# KiCad board Soldered Inkplate 4 TEMPERA with glass panel_panel.kicad_pcb (continued)
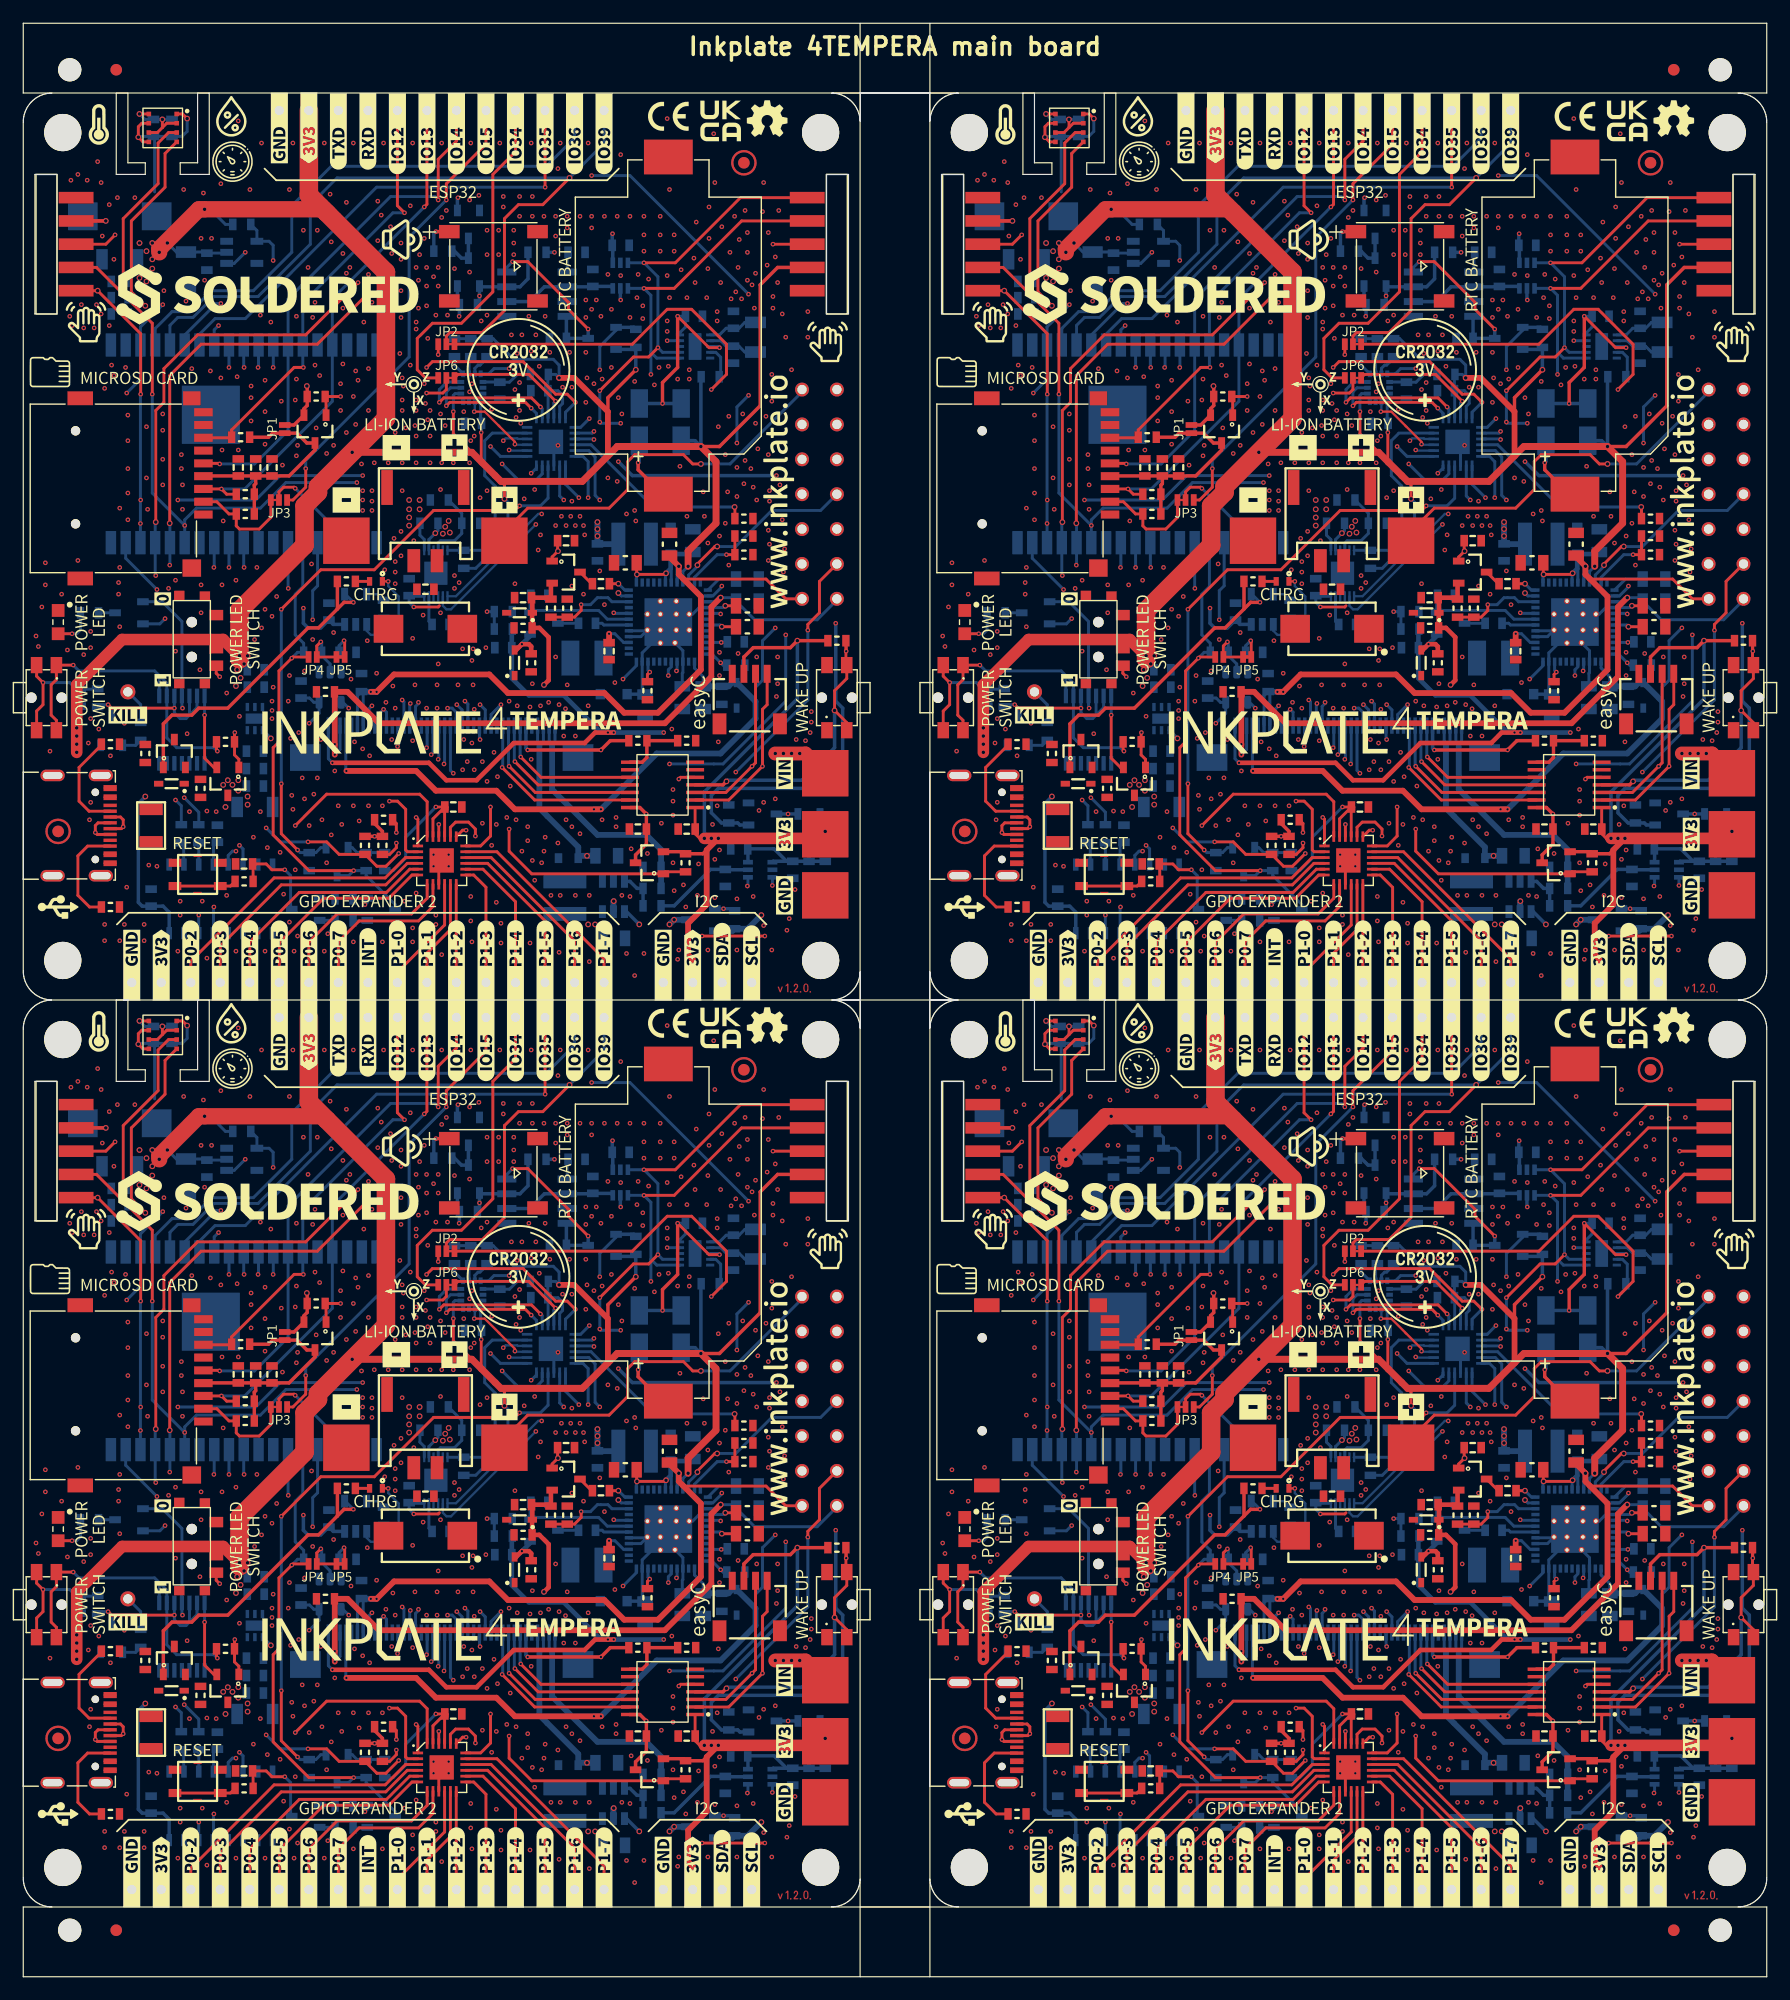
[diagram p0: board, top side]
## Routing (per net, layer and track width the routed paths; a pad name or vN(x,y) marks a point on that pad's centre or on a via; arc(x,y) is an arc through that point) (continued)
Board_2-GPIO15: length 40.9
  Top w0.254: K32.1 39.81,79.61 36.4,76.2 v1(36.4,74.8) ; JP3#2.3 23.2,49 24.3,50.1 v1(24.3,51.7)
  Bottom w0.254: v1(36.4,74.8) 33.2,71.6 33.2,61.3 24.3,52.4 v1(24.3,51.7)
Board_2-GPIO_0: length 43.8
  Top w0.254: JP4#3.1 23.2,35.5 22,34.3 22,28.2 21.5,27.7 21.5,20.2 24.58,17.12 v1(28.43,17.12)
  Bottom w0.254: U14#2.25 24.05,41.55 23.4,40.9 23.4,37.4 24.13,36.68 R45#4.1 23.6,35.9 v1(23.1,35.4) ; Q1#3.3 28,16.7 v1(28.43,17.12) R22.1 29.5,16.7 32,14.2 Q3.3
Board_2-GPIO_0_MOSFET: length 53.7
  Top w0.254: v1(23.6,18.9) 22.2,20.3 v1(22.2,24.6) ; v1(42.7,48.5) 42.3,48.1 35.3,48.1 30.2,43 25.6,43 v1(22.2,39.6)
  Bottom w0.254: v1(42.7,48.5) 44.5,48.5 45.15,49.15 U13#2.10 ; Q1#3.1 25.6,19.1 25.18,18.68 R20.2 23.83,18.68 v1(23.6,18.9) ; v1(22.2,39.6) v1(22.2,24.6)
Board_2-GPIO_36: length 137
  Top w0.254: v1(70.8,36) 70.8,36.88 R41#2.1 70.78,34.88 SW3#3.2 70.85,33.65 69.8,32.6 v2(69.8,30.9) 70.85,29.85 SW3#3.2
  Top w0.3: v2(60.5,24.8) 60.2,24.5 U10#3.4
  In1.Cu w0.254: v1(48.9,76.9) 47.43,78.37 K25.1 ; v1(70.8,36) 65.7,36 63.6,38.1 63.6,51.7 v1(61.4,53.9) ; v1(62.4,66.7) v1(62.4,58)
  Bottom w0.254: v1(62.4,66.7) 52.2,76.9 v1(48.9,76.9) ; v1(61.4,53.9) 61.4,57 v1(62.4,58) ; K25.1 47.43,80.13 45,77.7 26.5,77.7 23.1,74.3 23.1,70.3 19.8,67 16.2,67 14.4,65.2 12.8,65.2 11.35,63.75 U14#2.4
  Bottom w0.3: v2(60.5,24.8) 60.6,24.9 67,24.9 69.8,27.7 v2(69.8,30.9)
Board_2-GPIO_39: length 71.9
  Top w0.254: JP2.2 36.4,63.1 36.7,63.4 39.5,63.4 41.4,65.3 41.4,73.2 42.6,74.4 44.7,74.4 v2(47,76.7)
  Bottom w0.254: U14#2.5 12.62,64.02 13.3,64.7 14.6,64.7 16.4,66.5 20.2,66.5 24.7,71 24.7,74.4 27,76.7 v2(47,76.7) 49.97,79.67 K24#3.1
Board_2-GPOUT_FG: length 17.2
  Bottom w0.254: U5#4.12 R26.2 39.48,44.68 40.6,45.8 40.6,50.2 39.7,51.1 39.7,54.1 40.35,54.75 U13#2.17
Board_2-I2C_SCL: length 323.3
  Top w0.254: v1(32.1,19.5) 32.1,19.1 31.53,18.53 R1.1 ; v1(36.4,57.1) 36.7,57.4 43.2,57.4 v1(43.7,56.9) ; v1(54.6,62.1) 53.8,61.3 52.5,61.3 v1(49.6,58.4) ; v1(38.1,20.6) 37.8,20.6 U15#2.19 ; U10#3.2 60.7,23.2 v1(63.6,26.1) 63.6,31 64,31.4 K4#2.1 ; K42#4.1 v2(6.4,67) 10.1,63.3 v1(10.1,58.1) ; K43.1 61.7,75 56.1,69.4 v1(53.4,69.4) ; v1(58.4,11.5) v1(63.8,11.5) ; U19#2.4 12.2,78.8 12.2,75.9 9.3,73 9.3,66.9 v2(10.5,65.7)
  In1.Cu w0.254: v1(44.1,46.9) 44.1,48.2 49.9,54 49.9,55.4 v1(49.6,55.7) ; v1(26.5,20.2) 20.6,20.2 19.6,21.2 13.68,21.2 10.4,24.47 10.4,33.5 8.9,35 8.9,43.4 10.08,44.58 v1(10.08,46.98) ; v1(56.2,34.3) 56.2,33.5 67.3,22.4 67.3,18.7 v1(64.45,15.85) 64.45,12.15 62.67,10.37 K6#3.1 ; v1(13.3,49) v1(10.1,49) ; v1(49.6,58.4) 49.3,58.1 44.4,58.1 43.7,57.4 v1(43.7,56.9) 43.7,53.9 40.9,51.1 v1(29.2,51.1) ; K1#4.6 68.6,56.9 57,56.9 55.7,55.6 v1(51.4,55.6) ; v2(6.4,67) 9.2,67 v2(10.5,65.7) ; v1(58.4,11.5) 45,11.5 42.1,14.4 42.1,19.2 40.7,20.6 v1(38.1,20.6) 37.98,20.48 33.08,20.48 v1(32.1,19.5)
  In2.Cu w0.254: v1(26.5,20.2) 27.2,19.5 v1(32.1,19.5)
  Bottom w0.2: U5#4.2 36.1,39.9 36.4,39.6 36.8,39.6 v1(44.1,46.9)
  Bottom w0.254: U13#2.19 44.15,56.45 v1(43.7,56.9) ; U1#2.17 56.25,34.35 v1(56.2,34.3) ; v1(51.4,55.6) 49.7,55.6 v1(49.6,55.7) v1(49.6,58.4) ; v1(10.1,58.1) 10.08,58.08 v1(10.08,46.98) U14#2.36 ; U8.7 55,61.7 v1(54.6,62.1) 54.6,68.2 v1(53.4,69.4) U16#4.3 ; v1(29.2,51.1) 22.1,51.1 20,49 v1(13.3,49) ; U9#2.3 v1(64.45,15.85) ; v1(36.4,57.1) 36.4,58.3 36.75,58.65 U17.13
Board_2-I2C_SCL_B: length 15.8
  Top w0.254: U10#3.13 44,23.2 v1(41.2,26)
  Bottom w0.254: K12#2.10 41.25,26.05 v1(41.2,26)
Board_2-I2C_SDA: length 316.9
  Top w0.254: v1(24.5,19.6) 26.1,19.6 27.18,18.53 R2.1 30.43,17.5 31.2,17.5 v1(32.3,18.6) ; v1(11.1,58.1) 11.1,64.2 6.3,69 K42#4.2 ; v1(35.8,57.4) 36.18,57.78 43.72,57.78 v1(44.5,57) ; U15#2.20 36.75,20.85 37.2,21.3 38.3,21.3 38.9,20.7 v1(38.9,20.1) ; U10#3.3 60.45,23.85 v1(62.7,26.1) 63,26.4 K4#2.2 ; v1(53.4,67.2) 56,67.2 61.8,73 K43.2 ; U19#2.3 12.5,80.6 11.6,79.7 11.6,76.2 8.6,73.2 8.6,66.7
  In1.Cu w0.254: v1(44.6,47.8) 44.6,47.9 50.5,53.8 ; v1(13.89,46.81) 13.81,46.81 9.6,42.6 9.6,35.4 11.2,33.8 11.2,24.38 13.88,21.7 20,21.7 v1(20.9,20.8) ; 60.7,10.9 60.13,10.33 K7#4.1 ; 60.7,10.9 62.3,12.5 v1(62.3,15.8) 66.5,20 66.5,22.3 55.5,33.3 v1(55.5,33.9) ; 60.7,10.9 44.9,10.9 41.6,14.2 41.6,18.8 40.3,20.1 33.8,20.1 v1(32.3,18.6) ; 51.05,56.85 v1(54,59.8) ; 51.05,56.85 51,56.8 44.7,56.8 v1(44.5,57) ; 51.05,56.85 50.5,56.3 50.5,53.8 ; v1(28.7,50.5) 41,50.5 47,56.5 47,56.8 ; 50.5,53.8 51.4,54.7 63.3,54.7 64,54 68.5,54 K1#4.5
  Bottom w0.2: v1(44.6,47.8) 44.3,47.8 37.23,40.72 U5#4.1
  Bottom w0.254: v1(35.8,57.4) 35.8,58.5 36.45,59.15 U17.14 ; U13#2.20 44.65,56.85 v1(44.5,57) ; v1(20.9,20.8) 22.1,19.6 v1(24.5,19.6) ; U14#2.33 v1(13.89,46.81) ; v1(13.89,46.81) 11.1,49.6 v1(11.1,58.1) ; v1(13.89,46.81) 13.89,47.29 14.9,48.3 20.4,48.3 22.6,50.5 v1(28.7,50.5) ; U1#2.18 55.75,34.65 55.5,34.4 v1(55.5,33.9) ; 54,61.7 54,66.6 v1(53.4,67.2) U16#4.4 ; 54,61.7 v1(54,59.8) ; 54,61.7 54.5,61.2 U8.6 ; U9#2.4 62.35,15.85 v1(62.3,15.8)
Board_2-I2C_SDA_B: length 14.9
  Top w0.254: v1(41.8,26.1) 44.05,23.85 U10#3.12
  Bottom w0.254: K12#2.9 41.75,26.15 v1(41.8,26.1)
Board_2-INT: length 21.9
  In1.Cu w0.254: v1(60.1,41.6) 60.1,43.3 53.4,50 48.6,50 v1(47.8,49.2)
  Bottom w0.254: v1(60.1,41.6) 60.1,41.52 59.33,40.75 U1#2.2 ; v1(47.8,49.2) 46.65,50.35 U13#2.7
Board_2-INT1_LSM: length 11.2
  In1.Cu w0.254: v1(41.3,54.1) 41.3,57.4 41.8,57.9 v1(41.8,60.3)
  Bottom w0.2: v1(41.3,54.1) 41.5,54.3 42.5,54.3 42.55,54.25 U13#2.16
  Bottom w0.254: U17.4 40.05,59.85 40.5,60.3 v1(41.8,60.3)
Board_2-INT2_LSM: length 6.7
  Top w0.2: v1(42.3,53.8) 42.3,54 39.7,56.6 v1(38.8,56.6)
  Bottom w0.2: U13#2.15 42.35,53.75 v1(42.3,53.8) ; v1(38.8,56.6) 38.85,56.65 U17.9
Board_2-INT_APDS: length 86.7
  Top w0.254: v1(7.9,71.8) 7.1,71 K42#4.3 ; v1(64.5,71) K43.3
  In1.Cu w0.254: v1(64.5,71) 54.5,61 41.6,61 40.9,60.3 ; v1(41.2,52.1) 40.8,52.5 40.8,60.2 40.9,60.3 ; 40.9,60.3 40.4,59.8 36.6,59.8 34,62.4 32,62.4 22,72.4 15.1,72.4 14.5,71.8 v1(7.9,71.8)
  Bottom w0.254: v1(41.2,52.1) 42.6,50.7 44.1,50.7 44.65,51.25 U13#2.11
Board_2-MANUAL_RST: length 83.8
  Top w0.254: v1(22.5,17.2) 21.4,17.2 20.9,17.7 C34.2 19.78,17.66 R32#3.2
  In1.Cu w0.254: v1(22.5,17.2) 21.5,17.2 18.7,20 11.8,20 8.6,23.2 8.6,29.1 6.7,31 6.7,31.9 6.53,32.07 6.53,56.93 19.2,69.6 v1(21.5,69.6)
  Bottom w0.254: v1(22.5,17.2) 23,16.7 23,13.9 Q2#4.3 ; v1(21.5,69.6) 21.5,70.9 21.15,71.25 U4#4.4 20.1,72.17 R27#4.1
Board_2-Net-(C16-Pad1): length 1.8
  Bottom w0.254: C16#3.1 D6#3.3
Board_2-Net-(C17-Pad2): length 1.5
  Top w0.254: D7#2.3 48.9,41.8 C17#4.2
Board_2-Net-(C28-Pad1): length 2.5
  Bottom w0.254: U5#4.5 34.9,38.57 C28#4.1
Board_2-Net-(C33-Pad2): length 2.1
  Bottom w0.254: C33#3.2 16.37,19.24 U6#2.4
Board_2-Net-(C35-Pad2): length 11
  Top w0.254: SW2.2 1.15,33.85 v1(1.7,33.3) 1.7,31.4 1.15,30.85 SW2.2
  Bottom w0.254: R37#4.1 6.36,32.73 C35#2.2 4.57,32.73 4,33.3 v1(1.7,33.3)
Board_2-Net-(C43-Pad1): length 11.7
  Bottom w0.3: C44#4.1 C45.1 ; C44#4.1 Q9#3.3 ; C44#4.1 C43#2.1 ; C45.1 64.53,17.93 U9#2.1 ; C45.1 65.67,17.93 64.6,19 C47#4.2 62.35,18.98 U9#2.6
Board_2-Net-(C46-Pad2): length 2.6
  Top w0.254: v1(27.6,36.9) 27.65,36.85 JP5.2
  Bottom w0.254: v1(27.6,36.9) 27.17,36.47 C46#3.2
Board_2-Net-(C68-Pad2): length 1.7
  Bottom w0.254: U18#2.5 46.8,70.23 C68#3.2
Board_2-Net-(D8-Pad1): length 1.1
  Top w0.254: 28.68,42 D8.1
Board_2-Net-(D8-Pad2): length 8.7
  Top w0.2: v1(31.4,42) D8.2
  Bottom w0.2: v1(31.4,42) 31.4,41.6 32.3,40.7 32.3,37.8 31.9,37.4 29.9,37.4 29.55,37.75 U2#2.1
Board_2-Net-(D9-Pad1): length 3.5
  Top w0.254: v1(4.2,37.5) D9#2.1
  Bottom w0.254: R31#2.2 4.93,37.82 4.6,37.5 v1(4.2,37.5)
Board_2-Net-(D12-Pad1): length 6.2
  Top w0.3: v1(52.9,52.2) 52.9,51.6 55.5,49
  Bottom w0.3: D12#3.1 53,52.3 v1(52.9,52.2)
Board_2-Net-(JP2-Pad3): length 34.5
  Top w0.254: JP2.3 52.4,62.4 55.4,65.4 57.5,65.4 60.5,62.4 60.5,59.8 v1(59.2,58.5)
  Bottom w0.254: v1(59.2,58.5) 59.88,59.17 R40#2.1 60,59.72 60,61.28 59.58,61.7 U8.4
Board_2-Net-(JP3-Pad1): length 9.3
  Top w0.254: K10#3.2 16.65,48.85 17.7,47.8 R42#4.1 18.33,46.78 18.6,46.5 20.3,46.5 21.3,47.5 JP3#2.1
Board_2-Net-(JP4-Pad2): length 6.1
  Top w0.254: v1(25.6,36.8) 25.25,36.45 JP4#3.2 JP5.1
  Bottom w0.254: v1(25.6,36.8) 25.68,36.72 R45#4.2 25.68,35.62 26.4,34.9 U11#4.2
Board_2-Net-(JP6-Pad3): length 29.4
  Top w0.254: JP6.3 34.6,59.5 33.9,60.2 33.9,62.9 35.2,64.2 37.7,64.2 40.4,66.9 40.4,77 42.35,78.95 K17#4.1
Board_2-Net-(K2-PadA5): length 8.7
  Top w0.254: K2.A5 5.66,22.24 4.8,23.1 4.8,26 6.73,27.93 R18#4.1
Board_2-Net-(K2-PadB5): length 9
  Top w0.254: K2.B5 5.54,19.24 4.7,18.4 4.7,15 5.7,14 R17.1
Board_2-Net-(K9-Pad1): length 3.1
  Bottom w0.254: K9#3.1 10.1,31.4 R33#4.2
Board_2-Net-(K15-Pad1): length 42.5
  Top w0.254: v1(44.9,75.9) 44.89,75.91 K15.1
  Bottom w0.254: U14#2.7 15.16,63.26 16.5,64.6 19.1,64.6 30.4,75.9 v1(44.9,75.9)
Board_2-Net-(K26-Pad1): length 25.1
  Top w0.254: U15#2.3 32.89,18.25 31.14,16.5 21.58,16.5 14.41,9.33 K26#4.1
Board_2-Net-(K27-Pad1): length 23.1
  Top w0.254: U15#2.4 33.04,17.75 31.19,15.9 22.2,15.9 16.95,10.65 K27#3.1
Board_2-Net-(K28-Pad1): length 20.5
  Top w0.254: K28#3.1 19.49,10.99 23.75,15.25 31.25,15.25 33.25,17.25 U15#2.5
Board_2-Net-(K29-Pad1): length 17.8
  Top w0.254: U15#2.6 33.45,16.75 31.45,14.75 25.85,14.75 22.03,10.93 K29#2.1
Board_2-Net-(K30-Pad1): length 16.4
  Top w0.254: U15#2.7 34.75,14.75 33.4,13.4 27,13.4 24.57,10.97 K30#3.1
Board_2-Net-(K31-Pad1): length 14.8
  Top w0.254: U15#2.8 35.25,14.05 34,12.8 28.9,12.8 27.11,11.01 K31#2.1
Board_2-Net-(K33-Pad1): length 10.1
  Top w0.254: K33.1 32.19,8.39 36.25,12.45 U15#2.10
Board_2-Net-(K34-Pad1): length 9.3
  Top w0.254: K34#4.1 34.73,10.03 36.75,12.05 U15#2.11
Board_2-Net-(K35-Pad1): length 8.5
  Top w0.254: U15#2.12 37.25,7.52 K35#2.1
Board_2-Net-(K36-Pad1): length 10.4
  Top w0.254: K36#4.1 39.81,15.69 38.75,16.75 U15#2.13
Board_2-Net-(K37-Pad1): length 12.4
  Top w0.254: K37.1 42.35,14.45 39.55,17.25 U15#2.14
Board_2-Net-(K38-Pad1): length 14.2
  Top w0.254: U15#2.15 39.95,17.75 44.89,12.81 K38#4.1
Board_2-Net-(K39-Pad1): length 15.9
  Top w0.254: K39.1 47.43,11.07 40.25,18.25 U15#2.16
Board_2-Net-(K40-Pad1): length 17.8
  Top w0.254: U15#2.17 40.75,18.75 49.97,9.53 K40#2.1
Board_2-Net-(K41-Pad1): length 20.1
  Top w0.254: R55#3.2 32.1,21.18 v1(32.1,20.4) ; U15#2.22 v1(35.75,21.1)
  In1.Cu w0.254: K41#4.1 29.65,13.25 30.7,14.3 30.7,19 v1(32.1,20.4) 32.8,21.1 v1(35.75,21.1)
Board_2-Net-(Q1-Pad2): length 3.3
  Bottom w0.254: Q1#3.2 28.3,19.1 28.73,18.68 R22.2 R21#4.1
Board_2-Net-(Q2-Pad1): length 1.3
  Bottom w0.254: Q2#4.1 26.78,14.75 R29#2.1
Board_2-Net-(Q3-Pad1): length 1.2
  Bottom w0.254: R30#2.1 29.55,12.8 Q3.1
Board_2-Net-(Q4-Pad2): length 10.9
  Top w0.254: v1(16.9,33.8) 16.6,34.1 S1.3
  In1.Cu w0.254: v1(12.2,38.8) 13.9,37.1 15.2,37.1 16.9,35.4 v1(16.9,33.8)
  Bottom w0.254: v1(12.2,38.8) 11.75,38.35 Q4.2
Board_2-Net-(Q4-Pad3): length 1.4
  Bottom w0.254: R31#2.1 Q4.3
Board_2-Net-(Q5-Pad1): length 1.7
  Bottom w0.254: Q5#3.1 9.68,27.9 R33#4.1
Board_2-Net-(Q5-Pad3): length 14.7
  Top w0.254: v1(7.3,31.4) 7.6,31.1 v1(13,31.1)
  Bottom w0.254: 14.3,30.5 14.95,31.15 U7.13 ; 14.3,30.5 U7.12 ; 14.3,30.5 14,30.2 13.5,30.2 13,30.7 v1(13,31.1) U7.10 ; Q5#3.3 7.6,31.1 v1(7.3,31.4) 6.58,31.4 R37#4.2
Board_2-Net-(Q14-Pad3): length 3.4
  Bottom w0.3: R62#2.1 37.1,70.4 37.7,69.8 Q14#3.3 Q15#3.3
Board_2-Net-(R23-Pad1): length 1.7
  Bottom w0.2: U2#2.5 30.48,40.9 R23#2.1
Board_2-Net-(R32-Pad1): length 5.4
  Top w0.254: R32#3.1 17.83,15.8 12.95,15.8
Board_2-Net-(R36-Pad1): length 28.2
  Top w0.254: v1(16.7,27.4) 16.63,27.47 R36.1 ; v1(4.3,34.8) SW2.1 2.85,33.55 2.4,33.1 2.4,30.5 2.85,30.05 SW2.1
  Bottom w0.254: 11.7,33.9 U7.8 ; 11.7,33.9 11.3,34.3 4.8,34.3 v1(4.3,34.8) ; 11.7,33.9 12.35,33.25 U7.9 12.35,28.55 13.2,27.7 16.4,27.7 v1(16.7,27.4)
Board_2-Net-(R46-Pad1): length 5.7
  Top w0.3: U10#3.8 53.25,26.45 53.65,26.85 R46#3.1 R47#4.1
Board_2-Net-(R49-Pad2): length 3.3
  Bottom w0.3: U12.3 52.2,16.2 52.8,15.6 R49#3.2 R50#4.1
Board_2-Net-(R56-Pad2): length 1.8
  Bottom w0.254: R56#2.2 37.1,60.6 U17.1
Board_2-Net-(R57-Pad2): length 1.5
  Bottom w0.254: U17.2 38.35,61.17 R57#2.2
Board_2-Net-(R58-Pad2): length 2
  Bottom w0.254: R58#2.2 39.9,61.2 39.3,60.6 39.13,60.6 38.85,60.32 U17.3
Board_2-Net-(R62-Pad2): length 2.9
  Top w0.3: U20#2.1 v1(35.5,72.08)
  Bottom w0.3: R62#2.2 35.33,71.91 v1(35.5,72.08)
Board_2-OUT: length 18.8
  In1.Cu w0.3: v1(37.4,75) 39.25,73.15 v1(39.25,66.55)
  Bottom w0.3: v1(37.4,75) 37.35,74.95 Q15#3.1 ; R59#4.2 43.43,68.03 42.74,67.33 U18#2.3 39.32,67.33 Q14#3.1 39.25,65.97 R61#2.1
Board_2-POT_A: length 9.7
  Bottom w0.3: U16#4.6 50.55,67.37 C62#2.2 48.97,67.33 U18#2.6 44.84,67.33 43.57,66.06 U18#2.2
Board_2-POT_W: length 9.1
  In1.Cu w0.3: v1(51.4,66.2) 50.1,66.2 46,70.3 v1(45.7,70.3)
  Bottom w0.3: U16#4.5 51.37,66.23 v1(51.4,66.2) ; R59#4.1 v1(45.7,70.3)
Board_2-PWR_GOOD: length 23.7
  In1.Cu w0.254: v1(51.6,33.6) 45.2,40 45.2,47.7 v1(46.5,49)
  Bottom w0.254: U13#2.8 46.15,49.35 v1(46.5,49) ; U1#2.24 52.75,34.75 v1(51.6,33.6)
Board_2-PWRUP: length 24.3
  Top w0.254: R5.1 53.7,34 v1(53.9,34.2)
  In1.Cu w0.254: v1(49.6,49) 52,46.6 52,36.1 v1(53.9,34.2)
  Bottom w0.254: U1#2.22 53.75,34.35 v1(53.9,34.2) ; v1(49.6,49) 49.2,49.4 49.2,52.7 48.65,53.25 U13#2.5
Board_2-RST: length 123.6
  Top w0.254: v1(23.4,21) 26.1,23.7 34.1,23.7 34.75,23.05 U15#2.24 ; v1(47.5,57.4) 46.8,58.1 45.8,58.1 43,60.9 35.2,60.9 v1(34.7,60.4)
  In1.Cu w0.254: v1(12,65.8) 16.5,70.3 v1(19.1,70.3) 21.8,70.3 32,60.1 34.4,60.1 v1(34.7,60.4) ; v1(8.9,58.2) 7.5,56.8 7.5,32 9.5,30 9.5,23.5 12.4,20.6 19.2,20.6 v1(19.8,20)
  In2.Cu w0.254: v1(23.4,21) 22.4,20 v1(19.8,20)
  Bottom w0.254: U4#4.1 18.15,69.35 v1(19.1,70.3) ; v1(8.9,58.2) 10.08,59.38 U14#2.3 10.08,63.88 v1(12,65.8) ; v1(47.5,57.4) 46.65,56.55 U13#2.24
Board_2-RXD: length 77.5
  Top w0.254: v1(29.7,68.4) 29.7,66.8 25.3,62.4 15.3,62.4 12.6,59.7 v2(12.6,47)
  In1.Cu w0.254: K18.1 29.65,68.45 v1(29.7,68.4) ; v1(13.1,23.2) 11.7,24.6 11.7,34.5 10.3,35.9 10.3,42.4 11.3,43.4 v1(12.6,43.4)
  Bottom w0.254: v1(12.6,43.4) 12.62,43.42 U14#2.34 12.62,46.98 v2(12.6,47) ; v1(13.1,23.2) 13.6,22.7 R35#3.2
Board_2-SD_ENABLE: length 21.1
  Top w0.254: Q8.1 26.05,57.83 R39#2.2 v1(27.3,57.9)
  In1.Cu w0.254: v1(27.3,57.9) 31.6,53.6 v1(40.2,53.6)
  Bottom w0.254: U13#2.13 41.05,52.75 v1(40.2,53.6)
Board_2-SPI_CS: length 8.3
  Top w0.254: v1(23.4,50) 23.3,50.1 22.4,50.1 22,49.7 JP3#2.2
  Bottom w0.254: U14#2.23 26.59,46.81 v1(23.4,50)
Board_2-SPI_MISO: length 38.1
  Top w0.254: K20#4.1 32.19,74.31 v1(32.8,73.7) ; v1(24.1,60.4) 23.3,60.4 17.93,55.03 R44#3.1 17.88,54.35 K10#3.7
  Bottom w0.254: v1(32.8,73.7) 31.8,73.7 24.05,65.95 U14#2.14 24.05,60.45 v1(24.1,60.4)
Board_2-SPI_MOSI: length 44.1
  Top w0.254: v1(34.5,74.2) 34.73,74.43 K21.1 ; K10#3.3 v1(17.05,49.95) 17.5,49.5 R43#2.1
  Bottom w0.254: v1(17.05,49.95) 19.05,49.95 26.59,57.49 U14#2.16 26.59,66.29 v1(34.5,74.2)
Board_2-SPI_SCK: length 44.8
  Top w0.254: K10#3.5 16.85,52.15 v1(16.9,52.1) ; v1(35.7,74.8) 35.7,78.3 37.27,79.87 K19.1
  Bottom w0.254: v1(16.9,52.1) 19.9,52.1 22.78,54.98 U14#2.13 22.78,66.28 31.6,75.1 35.4,75.1 v1(35.7,74.8)
Board_2-SW_IN: length 6.5
  Top w0.254: v1(15.6,30.5) 15.6,26.8 16.4,26 16.45,26
  Bottom w0.254: U7.14 v1(15.6,30.5)
Board_2-SW_OUT_D: length 20.1
  Top w0.254: Q6.1 18.55,26.7 18.18,27.07 R36.2 18.18,28.97 v1(18.2,29)
  In1.Cu w0.254: v1(18.2,29) 16.1,31.1 v1(13.7,31.1)
  Bottom w0.254: Q4.1 11.95,40.25 13.65,38.55 U7.11 13.65,31.15 v1(13.7,31.1)
Board_2-TOUCH_EN: length 28.9
  Top w0.254: v1(41.8,20.7) 41.8,18.8 43.75,16.85 Q11#3.1 55.25,17.03 R52.2 ; U15#2.1 33.95,21.55 v1(33.8,21.7)
  In1.Cu w0.254: v1(41.8,20.7) 40.8,21.7 v1(33.8,21.7)
Board_2-TOUCH_INT_B: length 13.8
  Top w0.254: U10#3.11 44.3,24.5 v1(42.3,26.5)
  Bottom w0.254: v1(42.3,26.5) 42.25,26.55 K12#2.8
Board_2-TOUCH_RESET: length 33.5
  Top w0.254: U15#2.2 33.05,18.75 32.9,18.9 32.9,22.4 32.2,23.1 v1(31.5,23.1) ; v1(56.4,25) 56.55,25.15 U10#3.5
  In1.Cu w0.254: v1(56.4,25) 45.3,25 44,23.7 32.1,23.7 v1(31.5,23.1)
Board_2-TOUCH_RESET_B: length 12.9
  Top w0.254: U10#3.10 44.55,25.15 v1(42.8,26.9)
  Bottom w0.254: v1(42.8,26.9) 42.75,26.95 K12#2.7
Board_2-TXD: length 76.8
  Top w0.254: v1(28.8,67.7) 24.3,63.2 15,63.2 12.1,60.3 12.1,57.4 11.4,56.7 v2(11.4,47.1)
  In1.Cu w0.254: v1(28.8,67.7) 28.8,76.7 27.11,78.39 K16.1 ; v1(13.85,23.4) 12.3,24.95 12.3,35 10.9,36.4 10.9,42 v1(11.4,42.5)
  Bottom w0.254: R34#4.2 15.1,22.15 v1(13.85,23.4) ; v2(11.4,47.1) 11.35,47.05 U14#2.35 11.35,42.55 v1(11.4,42.5)
Board_2-VBAT: length 40.3
  Top w0.254: 41.33,46.22 43.4,48.3 50.4,48.3 52,49.9 52,52.3 52.6,52.9 56.8,52.9 57.6,52.1 v2(58.3,52.1) ; v1(33.6,39.8) 35.7,39.8 35.8,39.9
  Bottom w0.254: U5#4.8 34.9,45.6 v2(35.45,46.15) 35.68,46.38 R24#3.2 ; v2(58.3,52.1) 60.8,52.1 67,58.3 K1#4.8 ; U5#4.6 33.25,40.72 C29#2.2 33.2,40.2 v1(33.6,39.8)
  vias: v2(36.1,46.1) v2(36.3,46.7) v2(36.6,47.2) v2(36.7,46.2)
Board_2-VCOM: length 73.8
  Top w0.5: v1(27.8,25.7) 33.8,25.7 35.5,24 40.7,24 42.3,22.4 v1(49.7,22.4)
  In1.Cu w0.254: K1#4.11 65.7,49.5 64.7,48.5 v1(64.7,38)
  Bottom w0.254: v1(27.8,25.7) 27.75,25.75 K12#2.37 ; C7#3.2 58.5,33.8 57.75,34.55 U1#2.14 ; v1(64.7,38) 63.6,36.9 63.6,33.5 63,32.9 63,31.67
  Bottom w0.5: C7#3.2 R9#4.2 60.68,32.97 61,33.3 D4.1 63,31.67 63,30.2 60,27.2 54.5,27.2 v1(49.7,22.4) v1(49.1,22.4)
Board_2-VCOM_CTRL: length 28.4
  In1.Cu w0.254: v1(60,35) 59.2,35.8 59.2,43.4 53.1,49.5 48.9,49.5 v1(48.6,49.2)
  Bottom w0.254: U13#2.6 48.15,52.75 48.6,52.3 v1(48.6,49.2) ; R4#2.1 60.2,34.8 59.25,35.75 U1#2.12
Board_2-VDDH: length 70.8
  Top w0.254: v1(67.5,37.8) 67.5,38.3 68.5,39.3 68.5,42 K1#4.2
  Top w0.4: D7#2.2 45.4,41.75 R15#2.2 45.28,40.6 C15#3.2 43.8,40.53 D3#3.2 43.78,39.28 R8.2 44.4,38 45.2,37.2 45.2,33.5 v2(44.8,33.1)
  In2.Cu w0.254: 44,32.4 46.1,32.4 52.9,25.6 v1(61.3,25.6)
  In2.Cu w0.4: v1(30,31.3) 31.1,32.4 44.1,32.4 v2(44.8,33.1)
  Bottom w0.254: K12#2.33 29.75,31.05 v1(30,31.3) ; v1(67.5,37.8) 67.5,31.8 v1(61.3,25.6)
Board_2-VEE: length 81.1
  Top w0.4: R10#3.2 43.7,36.4 43.5,36.6 v1(42.9,36.6) 42.4,36.1 D5#2.1 ; v1(26.6,26.4) 34.9,26.4 36.4,24.9 39,24.9 42.2,28.1 48.3,28.1 49.2,29 v1(50.8,29)
  In1.Cu w0.254: v1(65.6,37.4) 65.6,42.1 K1#4.13 ; v1(55.6,26.3) 55.1,26.8 v1(55.1,29)
  Bottom w0.254: v1(65.6,37.4) 65.6,31.7 60.2,26.3 v1(55.6,26.3) ; K12#2.40 26.25,26.75 v1(26.6,26.4)
  Bottom w0.4: v1(55.1,29) v1(50.8,29) 49.7,29 46.5,32.2 43.5,32.2 42.03,33.67 C14#3.2 ; R13#4.2 42.03,37.85 C14#3.2 ; C14#3.2 42.6,36.3 43.6,37.3 D6#3.1
  vias: v1(50.3,29)
